# Altium PCB PCB.PcbDoc
Units mm, origin at the board's own origin, x right, y up, seen from the top; angles counter-clockwise.
Board outline 99.73 x 100.33 mm, 2 copper layers (Top Layer, Bottom Layer); 139 components, 112 nets, 586 pads, 0 vias.
Unrouted connection lines stored in the file: 376.
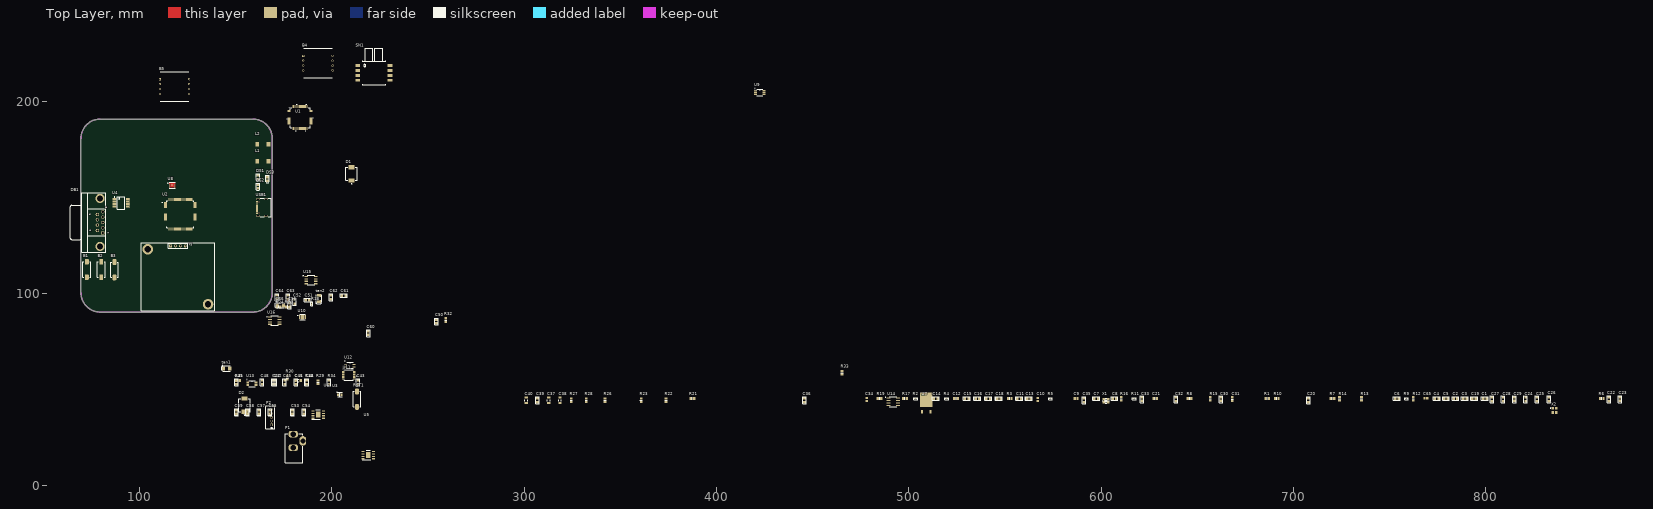
[diagram p0: Top Layer view]
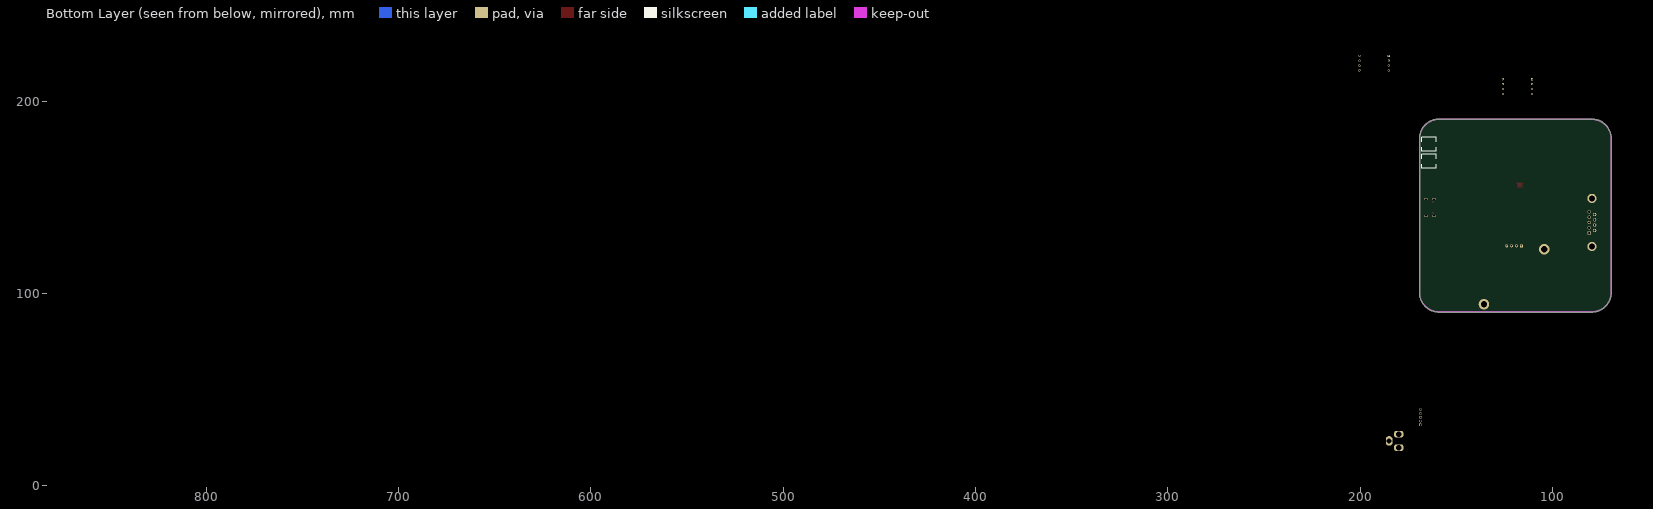
[diagram p1: Bottom Layer view, seen from below]

## Layer stack, top to bottom
Top Solder: solder mask 0.0102, Solder Resist, Dk 3.5
Top Layer: signal copper 0.0356
Dielectric 1: dielectric 0.32, FR-4, Dk 4.8
Bottom Layer: signal copper 0.0356
Bottom Solder: solder mask 0.0102, Solder Resist, Dk 3.5

## Board outline
69.502,100.356 cw(c69.564,100.467) 69.437,100.467 69.469,180.467 69.502,180.553 cw(c79.629,180.5) 79.629,190.627 159.629,190.629 159.706,190.603 cw(c159.004,180.5) 169.131,180.522 169.164,180.436 169.164,100.436 169.164,100.434 cw(c159.037,100.457) 159.735,90.354 159.629,90.297 79.629,90.297 cw(c79.629,100.424)

## Design rules (kind name [scope] priority, off if disabled: settings)
Clearance [All] p1: gap=0.254 ignorepadtopadclearanceinfootprint=FALSE except(0: Arc-Hole Track-Hole SMDPad-Hole THPad-Hole Via-Hole Fill-Hole Poly-Hole Region-Hole Text-Hole)
PolygonConnect [All] p1: connectstyle=Relief reliefconductorwidth=0.254 reliefentries=4 polygonreliefangle="90 Angle" airgapwidth=0.254
RoutingVias [All] p1: holewidth=0.711 width=1.27 viastyle="Through Hole" minholewidth=0.711 minwidth=1.27 maxholewidth=0.711 maxwidth=1.27
SolderMaskExpansion [All] p1: expansion=0.102 istentingtop=FALSE
Width [All] p1: maxlimit=0.254 minlimit=0.254 preferedwidth=0.254
30 further rules are at their usual default settings.

## Components (designator, comment, footprint, x,y, rotation, side; value= is the part's Value field where it differs from the comment)
B1 "Push Button Smd1" PCBComponent_1#1 72.517,112.395 r0 top
B2 "Push Button Smd1" PCBComponent_1#1 80.01,112.395 r0 top
B3 "Push Button Smd1" PCBComponent_1#1 86.868,112.268 r0 top
B4 "1210A-002D-3S" DIP1524W46P254L1524H1281Q8N 192.913,219.202 r0 top
B5 "1210A-015A-3S" DIP1524W46P254L1524H1281Q8N 118.364,207.01 r0 top
C1 "Cap" C0805#1 799.465,45.339 r0 top value=10uF
C2 "Cap" C0805#1 784.225,45.339 r0 top value=100nF
C3 "Cap" C0805#1 789.051,45.339 r0 top value=10uF
C4 "Cap" C0805#1 774.446,45.339 r0 top value=100nF
C5 "Cap" C0805#1 779.272,45.339 r0 top value=10uF
C6 "Cap" C0805#1 753.745,45.339 r0 top value=10uF
C7 "Cap" C0805#1 597.408,45.466 r0 top value=10uF
C8 "Cap" C0805#1 606.933,45.466 r0 top value=100nF
C9 "Cap" C0805#2 586.994,45.339 r0 top value=1uf
C10 "Cap" C0805#2 567.055,44.831 r90 top value=100nF
C11 "Cap" C0805#1 557.403,45.339 r0 top value=1uF
C12 "Cap" 6-0805_N 524.51,45.339 r0 top value=100nF
C13 "Cap" C0805#1 562.483,45.339 r0 top value=100nF
C14 "Cap" C0805#1 513.969,45.339 r0 top value=1uF
C15 "Cap" C0805#1 530.098,45.339 r0 top value=100nF
C16 "Cap" C0805#1 535.686,45.339 r0 top value=100nF
C17 "Cap" C0805#1 541.274,45.339 r0 top value=47uF
C18 "Cap" C0805#1 546.862,45.339 r0 top value=100nF
C19 "Cap" C0805#1 793.877,45.339 r0 top value=100nF
C20 "Cap" C0805#1 707.771,44.45 r90 top value=100nF
C21 "Cap" 6-0805_N 628.142,45.339 r0 top value=100nF
C22 "Cap" C0805#1 863.854,44.958 r90 top value=100nF
C23 "Cap" C0805#1 869.696,45.085 r90 top value=100nF
C24 "100nF" C0805#1 820.674,44.958 r90 top
C25 "Cap" C0805#1 826.516,44.958 r90 top value=100nF
C26 "Cap" C0805#1 832.866,44.958 r90 top value=12.5pF
C27 "Cap" C0805#1 803.148,44.958 r90 top value=12.5pF
C28 "Cap" C0805#1 808.99,44.958 r90 top value=100nF
C29 "Cap" C0805#1 814.832,45.085 r90 top value=10uF
C30 "Cap" C0805#1 662.305,45.085 r90 top value=100nF
C31 "Cap" 6-0805_N 668.147,45.085 r90 top value=100nF
C32 "Cap" C0805#1 638.937,44.958 r90 top value=100nF
C33 "Cap" C0805#1 621.157,45.085 r90 top value=20pF
C34 "Cap" C0805#2 478.028,44.831 r90 top value=20pF
C35 "Cap" C0805#1 591.058,44.45 r90 top value=2.2uF
C36 "Cap" C0805#1 445.643,44.45 r90 top value=2.2uF
C37 "Cap" C1206 312.801,44.45 r90 top value=10uF
C38 "Cap" C1206 318.643,44.45 r90 top value=100nF
C39 "Cap" C0805#1 306.959,44.45 r90 top value=100nF
C40 "Cap" C1206 301.117,44.45 r90 top value=10uF
C41 "Cap" C1206 182.499,54.737 r0 top value=100nF
C42 "Cap" C0805#1 170.434,53.848 r90 top value=100nF
C43 "Cap" C0805#1 213.741,53.848 r90 top value=82pF
C44 "Cap" C0805#1 187.198,53.848 r90 top value=82pF
C45 "Cap" C0805#1 175.514,53.848 r90 top value=2.2uF
C46 "Cap" C0805#1 181.356,53.848 r90 top value=2.2uF
C47 "Cap" C0805#1 169.672,53.848 r90 top value=1nF
C48 "Cap" C0805#1 163.83,53.848 r90 top value=1uF
C49 "Cap" C0805#1 150.368,53.848 r90 top value=1uF
C50 "Cap" C0805#1 254.508,85.471 r90 top value=47uF
C51 "Cap" C0805#1 187.452,96.52 r0 top value=47uF
C52 "Cap" C0805#1 180.721,95.631 r90 top value=10uF
C53 "Cap" C0805#1 179.578,38.354 r90 top value=100nF
C54 "Cap" C0805#1 185.42,38.354 r90 top value=100nF
C55 "Cap" C0805#1 167.894,38.354 r90 top value=2.7nF
C56 "100nF" C0805#1 178.054,93.853 r90 top
C57 "Cap" C0805#1 162.052,38.354 r90 top value=100nF
C58 "Cap" C0805#1 156.21,38.354 r90 top value=100nF
C59 "Cap" C0805#1 150.368,38.354 r90 top value=2.7nF
C60 "Cap" C0805#1 218.948,79.375 r90 top value=2.7nF
C61 "Cap" C0805#1 206.248,98.933 r0 top value=100nF
C62 "Cap" C0805#1 199.517,98.044 r90 top value=100nF
C63 "Cap" C0805#1 177.292,98.044 r90 top value=100nF
C64 "Cap" C0805#1 171.45,98.044 r90 top value=100nF
C65 "Cap" C0805#2 768.731,45.466 r0 top value=100nF
C66 "100UF" C_TN_3528 173.355,93.853 r0 top
D1 "SS34" DIOM7959X265N 210.312,162.179 r90 top
D2 "SS34" DIOM7959X265N 154.559,41.91 r90 top
DB1 "DB9_Right_Female" PCBComponent_1#2 77.851,136.779 r90 top
DS1 "" "LED SMD 0805 - Geeen" 161.544,160.401 r270 top
DS2 "" "LED SMD 0805 - Geeen" 161.544,155.509 r270 top
DS3 "" "LED SMD 0805 - Geeen" 166.624,159.512 r270 top
L1 "SLF7045T-150M1R1-PF" IND_7045_TDK 164.211,168.656 r0 top
L2 "SLF7045T-150M1R1-PF" IND_7045_TDK 164.211,177.546 r0 top
P1 "AdaptorConnector" AdaptorConnector 180.006,23.365 r0 top
P2 "1x5 2mm" "1x5 2mm-No3D" 168.656,31.624 r0 top
P3 "Header 4" HDR1X4 116.205,124.714 r0 top
R1 "Res1" 6-0805_N 686.308,45.339 r0 top value=1K
R2 "10K" 0402RM 503.555,45.339 r0 top
R3 "Res1" 6-0805_N 552.45,45.339 r0 top value=10K
R4 "10K" 0402RM 519.684,45.339 r0 top
R5 "10K" 0402RM 573.659,45.339 r0 top
R6 "Res1" 6-0805_N 860.171,45.339 r0 top value=1K
R7 "Res1" 6-0805_N 720.217,45.339 r0 top value=10K
R8 "Res1" 6-0805_N 645.922,45.339 r0 top value=10K
R9 "10K" 0402RM 758.698,45.339 r0 top
R10 "Res1" 6-0805_N 691.261,45.339 r0 top value=1K
R11 "10K" 0402RM 617.22,45.339 r0 top
R12 "Res1" 6-0805_N 762.254,45.212 r90 top value=10K
R13 "Res1" 6-0805_N 735.33,45.212 r90 top value=86.6K
R14 "Res1" 6-0805_N 723.9,45.212 r90 top value=86.6K
R15 "Res1" 6-0805_N 656.717,45.212 r90 top value="0 NC"
R16 "Res1" 6-0805_N 610.362,45.212 r90 top value=22K
R17 "Res1" 6-0805_N 497.967,45.339 r0 top value=22K
R18 "10K" 0402RM 189.611,94.615 r90 top
R19 "Res1" 6-0805_N 484.759,45.339 r0 top value=10K
R20 "Res1" 6-0805_N 177.165,92.964 r0 top value=10K
R21 "Res1" 6-0805_N 387.477,45.339 r0 top value=1k
R22 "Res1" 6-0805_N 373.761,44.45 r90 top value=10K
R23 "Res1" 6-0805_N 360.807,44.45 r90 top value=760
R24 "Res1" 6-0805_N 172.339,92.964 r0 top value=10K
R26 "Res1" 6-0805_N 342.011,44.45 r90 top value=100k
R27 "Res1" 6-0805_N 324.485,44.45 r90 top value=100k
R28 "Res1" 6-0805_N 332.232,44.45 r90 top value=1k
R29 "Res1" 6-0805_N 192.786,53.848 r90 top value=100k
R30 "Res1" 6-0805_N 176.911,56.261 r90 top value=1k
R31 "Res1" 6-0805_N 151.257,54.737 r0 top value=100k
R32 "Res1" 6-0805_N 259.207,86.117 r90 top value=10K
R33 "Res1" 6-0805_N 465.201,58.801 r90 top value=10K
R34 "666" "R SMD 0805" 198.628,53.848 r90 top
R35 "666" "R SMD 0805" 186.944,53.848 r90 top
RST1 "Push Button Smd1" PCBComponent_1#1 212.979,44.958 r0 top
SN1 "MPX2053DP" SOP8-1351 221.869,214.63 r0 top
tan1 "Component_1" C_TN_3528 145.364,60.96 r0 top
tan2 "Component_1" C_TN_3528 193.294,97.409 r90 top
U1 "AD7768-4BSTZ" ST_64_2_ADI 183.515,191.389 r0 top
U2 "STM32F427VIT6" QFP50P1600X1600X160-100N 121.285,141.224 r0 top
U3 "NUF2221" "SC70 6L" 204.216,47.498 r0 top
U4 "MAX3221ECAE" PCBComponent_1#3 89.789,147.574 r0 top
U5 "LMR23630ADDAR" "PCBComponent_1 - duplicate1" 223.341,28.321 r0 top value=N/A
U6 "LMR23630ADDAR" "PCBComponent_1 - duplicate1" 197.231,49.403 r0 top value=N/A
U7 "LF33ABDT-TR" TO228P972X240-3N 509.016,44.577 r0 top
U8 "SHT21" XDCR_SHT21 117.014,156.321 r0 top
U9 "AD8220ARMZ" SOP65P490X110-8N 422.529,204.47 r0 top
U10 "ADM7170ACPZ-5.0-R7" SON50P300X300X80-9N 184.785,87.757 r0 top
U11 "OPA4387PWT" ADA4807-4ARUZ_ADI 208.788,57.531 r0 top
U12 "AD8220ARMZ" SOP65P490X110-8N 209.423,62.738 r0 top
U13 "AD8220ARMZ" SOP65P490X110-8N 158.496,53.086 r0 top
U14 "REF102CUG4" SOIC127P599X175-8N 491.871,43.688 r0 top
U15 "REF102CUG4" SOIC127P599X175-8N 189.16,106.934 r0 top
U16 "LM2904DR" SOIC127P599X175-8N 170.307,85.852 r0 top
USB1 "USB4105-GF-A" USB4105_GCT 164.592,144.653 r90 top
X1 "32.768MHz" Crystal3225 602.488,44.196 r0 top
X2 "" OSC_X322516MLB4SI 835.66,39.243 r0 top

## Footprints (in the part's own frame and the unit in brackets; to place one, negate y for a bottom-side part, rotate by r counter-clockwise, add the part's x,y. Pads: shape width x height; smd on the part's side, far side on the other; paste and mask are expansions set on the pad)
"1x5 2mm-No3D" [mm]
  rect 1.3x1.3 hole 0.9: 1(0,0)
  round 1.3 hole 0.9: 2(0,2) 3(0,4) 4(0,6) 5(0,8)
  silkscreen extent -3,-2 1.6,10
6-0805_N [mm]
  rect 1.2x1.4 smd: 1(-0.9,0) 2(0.9,0)
  silkscreen extent 0,-0.6 0,0.6, body extent -1.07,-0.7 1.07,0.7, height 0.7
0402RM [mm]
  rect 0.7x0.7 smd mask+0.05: 1(-0.5,0) 2(0.5,0)
  silkscreen extent -1,-0.5 1,0.5, body extent -0.57,-0.27 0.58,0.28, height 0.41
ADA4807-4ARUZ_ADI [mil]
  rect 51.48x14 smd paste+0 mask+0: 1(-114.24,76.77) 2(-114.24,51.18) 3(-114.24,25.59) 4(-114.24,0) 5(-114.24,-25.59) 6(-114.24,-51.18) 7(-114.24,-76.77) 8(114.24,-76.77) 9(114.24,-51.18) 10(114.24,-25.59) 11(114.24,0) 12(114.24,25.59) 13(114.24,51.18) 14(114.24,76.77)
  silkscreen extent -94,-106 160,106, body extent -126,-101 126,101, height 43
AdaptorConnector [mm]
  rrect80% 5x3.5 hole 2.7: 1(-0.047,3.447) 2(-0.047,-3.553)
  oval 3.5x5 hole 2.7: 3(4.953,-0.053)
  silkscreen extent -4.3,-11.3 4.95,3.7, body extent -4.42,-10.86 5.08,3.54, height 11
C0805#1 [mm]
  rect 1.3x1.5 smd: 1(-0.95,0) 2(0.95,0)
  silkscreen extent -1.85,-0.91 1.75,0.91, body extent -1,-0.63 1,0.62, height 0.78
C0805#2 [mm]
  rect 1.1x1.4 smd: 1(-0.75,0) 2(0.75,0)
  body extent -1.1,-0.72 1.1,0.72, height 1.4
C1206 [mm] "Chip Capacitor, Body 3.2x1.6mm, IPC High Density"
  rect 1.1x1.7 smd: 1(-1.35,0) 2(1.35,0)
  silkscreen extent -0.4,-0.75 0.4,0.75, body extent -1.7,-0.9 1.7,0.9, height 1.3
C_TN_3528 [mm]
  rrect50% 1.6x2.2 smd mask+0.1: 1(-1.6,0)
  rect 1.6x2.2 smd mask+0.1: 2(1.6,0)
  Top Layer pour cut-out: -0.889,1.4 -0.889,-1.4 0.889,-1.4 0.889,1.4
  silkscreen extent -2.7,-1.4 1.8,1.7, body extent -1.85,-1.46 1.85,1.47, height 2.03
Crystal3225 [mil]
  rect 56x48 smd: 1(-43.31,-33.46) 2(44,30.03) NC_1(44,-33.46) NC_2(-43.31,30.03)
  silkscreen extent -63,-53 63,50, body extent -63,-51 63,47, height 32
DIOM7959X265N [mm]
  rect 2.25x3.18 smd: A(3.455,0) C(-3.455,0)
  silkscreen extent -5.3,-2.95 3.44,2.95, body extent -3.98,-2.95 3.98,2.95, height 2.65
DIP1524W46P254L1524H1281Q8N [mm]
  rect 1.06x1.06 / inner round 1.06 / far side rect 1.06x1.06 hole 0.66: 1(-7.766,4.335)
  round 1.06 hole 0.66: 2(-7.766,1.795) 3(-7.766,-0.745) 4(-7.766,-3.285) 5(7.474,-3.285) 6(7.474,-0.745) 7(7.474,1.795) 8(7.474,4.335)
  silkscreen extent -7.51,-7.09 7.22,8.15, body extent -7.89,-7.09 7.6,8.15, height 18.46
HDR1X4 [mm] "Connector; Header; 4 Position"
  rect 1.5x1.5 hole 0.9: 1(0,0)
  round 1.5 hole 0.9: 2(2.54,0) 3(5.08,0) 4(7.62,0)
  silkscreen extent -1.27,-1.27 8.89,1.27
IND_7045_TDK [mm]
  rect 2x2.2 smd paste+0 mask+0: 1(-2.95,0) 2(2.95,0)
  body extent -3.68,-3.37 3.52,3.63, height 0.1
"LED SMD 0805 - Geeen" [mm]
  rect 1.3x1.5 smd: 1(-0.95,0) 2(0.95,0)
  silkscreen extent -1.8,-0.95 1.9,0.95, body extent -1.01,-0.62 1.01,0.63, height 1.1
OSC_X322516MLB4SI [mm]
  rect 1.2x1.4 smd: 1(-0.85,1.1) 2(-0.85,-1.1) 3(0.85,-1.1) 4(0.85,1.1)
  silkscreen extent -2.15,1 -1.95,1.2
PCBComponent_1#1 [mm]
  rrect50% 2x3 smd: 1(0.126,-3.936) 2(0.126,4.064)
  silkscreen extent -1.87,-3.94 2.13,4.06, body extent -1.65,-4.26 1.9,4.38, height 5.3
PCBComponent_1#2 [mm]
  rect 1.69x1.69 hole 1.09: 1(-5.425,-3.094)
  round 1.69 hole 1.09: 2(-2.655,-3.094) 3(0.115,-3.094) 4(2.885,-3.094) 5(5.655,-3.094) 6(-4.04,-0.254) 7(-1.27,-0.254) 8(1.5,-0.254) 9(4.27,-0.254)
  round 4.76 hole 3.26: 10(-12.38,-1.674) 11(12.61,-1.674)
  silkscreen extent -15.28,-4.57 15.52,13.83, body extent -15.29,-4.63 15.52,13.67, height 12.77
PCBComponent_1#3 [mm]
  oval 2.1x0.45 smd: 1(-2.769,1.824) 2(-2.769,1.174) 3(-2.769,0.524) 4(-2.769,-0.126) 5(-2.769,-0.776) 6(-2.769,-1.426) 7(-2.769,-2.076) 8(-2.769,-2.726) 9(4.131,-2.726) 10(4.131,-2.076) 11(4.131,-1.426) 12(4.131,-0.776) 13(4.131,-0.126) 14(4.131,0.524) 15(4.131,1.174) 16(4.131,1.824)
  silkscreen extent -2.92,-3.7 2.68,2.8, body extent -3.19,-3.67 4.71,2.65, height 1.99
"PCBComponent_1 - duplicate1" [mm]
  rect 1.45x0.6 smd: 1(-7.071,-14.283) 2(-7.071,-13.013) 3(-7.071,-11.743) 4(-7.071,-10.473) 5(-1.621,-10.473) 6(-1.621,-11.743) 7(-1.621,-13.013) 8(-1.621,-14.283)
  rect 2.4x3.1 smd: 9(-4.318,-12.319)
  silkscreen extent -7.57,-14.88 -3.2,-9.88, body extent -7.38,-14.81 -1.4,-9.91, height 1.65
QFP50P1600X1600X160-100N [mm]
  rrect25% 1.56x0.28 smd: 1(-7.68,6) 2(-7.68,5.5) 3(-7.68,5) 4(-7.68,4.5) 5(-7.68,4) 6(-7.68,3.5) 7(-7.68,3) 8(-7.68,2.5) 9(-7.68,2) 10(-7.68,1.5) 11(-7.68,1) 12(-7.68,0.5) 13(-7.68,0) 14(-7.68,-0.5) 15(-7.68,-1) 16(-7.68,-1.5) 17(-7.68,-2) 18(-7.68,-2.5) 19(-7.68,-3) 20(-7.68,-3.5) 21(-7.68,-4) 22(-7.68,-4.5) 23(-7.68,-5) 24(-7.68,-5.5) 25(-7.68,-6) 51(7.68,-6) 52(7.68,-5.5) 53(7.68,-5) 54(7.68,-4.5) 55(7.68,-4) 56(7.68,-3.5) 57(7.68,-3) 58(7.68,-2.5) 59(7.68,-2) 60(7.68,-1.5) 61(7.68,-1) 62(7.68,-0.5) 63(7.68,0) 64(7.68,0.5) 65(7.68,1) 66(7.68,1.5) 67(7.68,2) 68(7.68,2.5) 69(7.68,3) 70(7.68,3.5) 71(7.68,4) 72(7.68,4.5) 73(7.68,5) 74(7.68,5.5) 75(7.68,6)
  rrect25% 0.28x1.56 smd: 26(-6,-7.68) 27(-5.5,-7.68) 28(-5,-7.68) 29(-4.5,-7.68) 30(-4,-7.68) 31(-3.5,-7.68) 32(-3,-7.68) 33(-2.5,-7.68) 34(-2,-7.68) 35(-1.5,-7.68) 36(-1,-7.68) 37(-0.5,-7.68) 38(0,-7.68) 39(0.5,-7.68) 40(1,-7.68) 41(1.5,-7.68) 42(2,-7.68) 43(2.5,-7.68) 44(3,-7.68) 45(3.5,-7.68) 46(4,-7.68) 47(4.5,-7.68) 48(5,-7.68) 49(5.5,-7.68) 50(6,-7.68) 76(6,7.68) 77(5.5,7.68) 78(5,7.68) 79(4.5,7.68) 80(4,7.68) 81(3.5,7.68) 82(3,7.68) 83(2.5,7.68) 84(2,7.68) 85(1.5,7.68) 86(1,7.68) 87(0.5,7.68) 88(0,7.68) 89(-0.5,7.68) 90(-1,7.68) 91(-1.5,7.68) 92(-2,7.68) 93(-2.5,7.68) 94(-3,7.68) 95(-3.5,7.68) 96(-4,7.68) 97(-4.5,7.68) 98(-5,7.68) 99(-5.5,7.68) 100(-6,7.68)
  silkscreen extent -9.54,-7 7,7
"R SMD 0805" [mm]
  rect 1.3x1.5 smd: 1(-0.95,0) 2(0.95,0)
  silkscreen extent -1.8,-0.95 1.8,0.95, body extent -0.99,-0.62 1.01,0.62, height 0.37
"SC70 6L" [mm]
  rect 1x0.35 smd: 1(-0.9,0.65) 2(-0.9,0) 3(-0.9,-0.65) 4(0.9,-0.65) 5(0.9,0) 6(0.9,0.65)
  silkscreen extent -1.52,-1.1 1.2,1.2, body extent -1.05,-1 1.05,1, height 0.92
SOIC127P599X175-8N [mm]
  rrect25% 1.97x0.6 smd: 1(-2.47,1.905) 2(-2.47,0.635) 3(-2.47,-0.635) 4(-2.47,-1.905) 5(2.47,-1.905) 6(2.47,-0.635) 7(2.47,0.635) 8(2.47,1.905)
  silkscreen extent -4.14,-2.52 1.95,2.52, body extent -3,-2.45 3,2.45, height 1.75
SON50P300X300X80-9N [mm]
  rrect25% 0.86x0.27 smd: 1(-1.435,0.75) 2(-1.435,0.25) 3(-1.435,-0.25) 4(-1.435,-0.75) 5(1.435,-0.75) 6(1.435,-0.25) 7(1.435,0.25) 8(1.435,0.75)
  rect 1.6x2.44 smd paste-2: 9(0,0)
  silkscreen extent -2.59,-1.54 1.5,1.54
SOP8-1351 [mil]
  rect 100x60 smd: 1(-330,150) 2(-330,50) 3(-330,-50) 4(-330,-150) 5(330,-150) 6(330,-50) 7(330,50) 8(330,150)
  silkscreen extent -242,-242 242,505, body extent -350,-240 340,485, height 405
SOP65P490X110-8N [mil]
  rect 59x17 smd: 1(-86,38) 2(-86,13) 3(-86,-13) 4(-86,-38) 5(86,-38) 6(86,-13) 7(86,13) 8(86,38)
  silkscreen extent -63,-63 63,63
ST_64_2_ADI [mil]
  rect 58x11 smd paste+0 mask+0: 1(-225,147.64) 2(-225,127.95) 3(-225,108.27) 4(-225,88.58) 5(-225,68.9) 6(-225,49.21) 7(-225,29.53) 8(-225,9.84) 9(-225,-9.84) 10(-225,-29.53) 11(-225,-49.21) 12(-225,-68.9) 13(-225,-88.58) 14(-225,-108.27) 15(-225,-127.95) 16(-225,-147.64) 33(225,-147.64) 34(225,-127.95) 35(225,-108.27) 36(225,-88.58) 37(225,-68.9) 38(225,-49.21) 39(225,-29.53) 40(225,-9.84) 41(225,9.84) 42(225,29.53) 43(225,49.21) 44(225,68.9) 45(225,88.58) 46(225,108.27) 47(225,127.95) 48(225,147.64)
  rect 11x58 smd paste+0 mask+0: 17(-147.64,-225) 18(-127.95,-225) 19(-108.27,-225) 20(-88.58,-225) 21(-68.9,-225) 22(-49.21,-225) 23(-29.53,-225) 24(-9.84,-225) 25(9.84,-225) 26(29.53,-225) 27(49.21,-225) 28(68.9,-225) 29(88.58,-225) 30(108.27,-225) 31(127.95,-225) 32(147.64,-225) 49(147.64,225) 50(127.95,225) 51(108.27,225) 52(88.58,225) 53(68.9,225) 54(49.21,225) 55(29.53,225) 56(9.84,225) 57(-9.84,225) 58(-29.53,225) 59(-49.21,225) 60(-68.9,225) 61(-88.58,225) 62(-108.27,225) 63(-127.95,225) 64(-147.64,225)
  silkscreen extent -274,-274 274,274, body extent -240,-240 240,240, height 63
TO228P972X240-3N [mil]
  rect 37x67 smd: 1(-89,-240) 3(89,-240)
  rect 260x288 smd: 2(0,6)
USB4105_GCT [mil]
  round 26 hole 26 unplated: 17(-113.78,94.91) 18(113.78,94.91)
  rect 23x39.37 smd: A1-B12(-125.98,137.24) B1-A12(125.98,137.24)
  rect 23x45 smd: A4-B9(-94.49,137.24) B4-A9(94.49,137.24)
  rect 12x45 smd paste+0 mask+0: A5(-49.21,137.24) A6(-9.84,137.24) A7(9.84,137.24) A8(49.21,137.24) B5(68.9,137.24) B6(29.53,137.24) B7(-29.53,137.24) B8(-68.9,137.24)
  oval 40x83 hole 25 slot 55 at 90 deg: shld(-170.08,-49.97) shld(-170.08,114.6) shld(170,-50) shld(170.08,114.6)
  silkscreen extent -194,-157 194,70, body extent -176,-150 176,153, height 128
XDCR_SHT21 [mm]
  rect 0.3x0.2 smd paste-1 mask+0: 1(-1.35,1) 2(-1.35,0) 3(-1.35,-1) 4(1.35,1) 5(1.35,0) 6(1.35,-1)
  rect 0.5x1 smd paste-1 mask+0: 7(0,0)
  Top Layer region: 0.75,-1.2 -0.75,-1.2 -0.75,0.93 -0.48,1.2 0.75,1.2
  Top Layer region: 1.65,-1.2 1.15,-1.2 1.05,-1.1 1.05,-0.9 1.15,-0.8 1.65,-0.8
  Top Layer region: 1.65,-0.2 1.15,-0.2 1.05,-0.1 1.05,0.1 1.15,0.2 1.65,0.2
  Top Layer region: 1.65,0.8 1.15,0.8 1.05,0.9 1.05,1.1 1.15,1.2 1.65,1.2
  Top Layer region: -1.05,-0.9 -1.05,-1.1 -1.15,-1.2 -1.65,-1.2 -1.65,-0.8 -1.15,-0.8
  Top Layer region: -1.05,0.1 -1.05,-0.1 -1.15,-0.2 -1.65,-0.2 -1.65,0.2 -1.15,0.2
  Top Layer region: -1.05,1.1 -1.05,0.9 -1.15,0.8 -1.65,0.8 -1.65,1.2 -1.15,1.2
  silkscreen extent -2.35,-1.52 1.5,1.52, body extent -1.5,-1.52 1.5,1.48, height 1.05

## Part data
B4: library part 1210A-015A-3S, "Board Mount Pressure Sensors 0-15psia 0-100mV Short Port", Manufacturer_Name="TE Connectivity", Mouser Part Number=824-1210A-015A-3S, Datasheet Link=https://componentsearchengine.com/Datasheets/1/1210A-015A-3S.pdf, Geometry.Height=12.81mm, Manufacturer_Part_Number=1210A-015A-3S, Mouser Price/Stock=https://www.mouser.com/Search/Refine.aspx?Keyword=824-1210A-015A-3S
B5: "Board Mount Pressure Sensors 0-15psia 0-100mV Short Port", Manufacturer_Name="TE Connectivity", Mouser Part Number=824-1210A-015A-3S, Datasheet Link=https://componentsearchengine.com/Datasheets/1/1210A-015A-3S.pdf, Geometry.Height=12.81mm, Manufacturer_Part_Number=1210A-015A-3S, Mouser Price/Stock=https://www.mouser.com/Search/Refine.aspx?Keyword=824-1210A-015A-3S
C1 C2 C3 C4 C5 C6 C7 C8 C9 C10 C11 C13 C14 C15 C16 C17 C18 C19 C20 C22 C23 C25 C26 C27 C28 C29 C30 C32 C33 C34 C35 C36 C37 C38 C39 C40 C41 C42 C43 C44 C45 C46 C47 C48 C49 C50 C51 C52 C53 C54 C55 C57 C58 C59 C60 C61 C62 C63 C64 C65: library part Cap_2, "Capacitor", LatestRevisionDate=17-Jul-2002, LatestRevisionNote="Re-released for DXP Platform.", PackageDescription="Radial Cap, Thru-Hole; 2 Leads; 0.3 in Pin Spacing", PackageReference=RAD-0.3, Published=8-Jun-2000, Publisher="Altium Limited"
C12 C21 C31: "Capacitor", LatestRevisionDate=17-Jul-2002, LatestRevisionNote="Re-released for DXP Platform.", PackageDescription="Radial Cap, Thru-Hole; 2 Leads; 0.3 in Pin Spacing", PackageReference=RAD-0.3, Published=8-Jun-2000, Publisher="Altium Limited"
C24: library part "C SMD", "Ceramic Chip Capacitor - Standard", PackageDocument=Mar-2001, Code_IPC="1608 [0603]", Code_JEITA=0603, ComponentLink1Description="Manufacturer Link", ComponentLink1URL=http://www.kemet.com/, ComponentLink2Description=Datasheet, ComponentLink2URL=http://www.kemet.com/kemet/web/homepage/kechome.nsf/vapubfilesname/F3102TA.pdf/$file/F3102TA.pdf, DatasheetDocument=Mar-2001, LatestRevisionDate=19-Mar-2004, LatestRevisionNote="Silkscreen size reduced.", Note="Footprint corresponds to dimensions for bulk cassette packaging. This case size has tightened tolerances.", PackageReference=0603, Published=17-Jul-2002, Publisher="Altium Limited"
C56: library part C0603, ComponentLink1Description="Manufacturer Link", ComponentLink1URL=http://www.kemet.com/, ComponentLink2Description=Datasheet, ComponentLink2URL=http://www.kemet.com/kemet/web/homepage/kechome.nsf/vapubfilesname/F3102TA.pdf/$file/F3102TA.pdf, PackageReference="0603 [1608]"
C66: library part CAP_SMD_TAN, "CAP, SMD, TAN,", PARAM=25V
D1 D2: "Diode Schottky 40 V 3A Surface Mount SMC (DO-214AB)", Package="SMC-2 ON Semiconductor", Check_prices=https://www.snapeda.com/parts/SS34/Onsemi/view-part/?ref=eda, MF=onsemi, MP=SS34, SnapEDA_Link=https://www.snapeda.com/parts/SS34/Onsemi/view-part/?ref=snap
DB1: library part "D Connector 9", "Receptacle Assembly, 9 Position, Right Angle", PackageDocument=O, DatasheetDocument=1-Sep-1999, Gender=Receptacle, LatestRevisionDate=17-Jul-2002, LatestRevisionNote="Re-released for DXP Platform.", Orientation="Right Angle", PackageReference=788750, Positions=9, Published=15-Jun-2001, Publisher="Altium Limited"
DS1 DS2 DS3: library part "LED SMD"
L1 L2: library part SLF7045T-680MR60-PF, "No Description Available", Mfr_Name=TDK, Copyright="Copyright (C) 2022 Ultra Librarian. All rights reserved.", Manufacturer_Part_Number=SLF7045T-150M1R1-PF
P3: "Header, 4-Pin", LatestRevisionDate=17-Jul-2002, LatestRevisionNote="Re-released for DXP Platform.", Publisher="Altium Limited"
R1 R3 R6 R7 R10 R12 R13 R14 R15 R16 R17 R20 R24: "Resistor", LatestRevisionDate=17-Jul-2002, LatestRevisionNote="Re-released for DXP Platform.", PackageDescription="Axial Device, Thru-Hole; 2 Leads; 0.3 in Pin Spacing", PackageReference=AXIAL-0.3, Published=8-Jun-2000, Publisher="Altium Limited"
R2 R4 R5 R9 R11 R18 R34 R35: library part "R SMD", "Metal Film Thermosensitive Chip Resistor, 0.56 Ohm to 10k Ohm Range, 5% Tolerance, 0805 Size, 0.1 W", PackageDocument=Mar-2003, Code_IPC="2012 [0805]", ComponentLink1Description="Manufacturer Link", ComponentLink1URL=http://www.panasonic.com/industrial/components/resistive_products.htm, ComponentLink2Description=Datasheet, ComponentLink2URL=http://www.panasonic.com/industrial/components/pdf/AOF0000CE1.pdf, LatestRevisionDate=19-Mar-2004, LatestRevisionNote="Silkscreen size reduced.", Note="If flow soldering, adjust pad width of PCB Footprint to 0.7 - 0.8 times the width of the resistor.", PackageReference=ERA-0805, Published=17-Dec-2003, Publisher="Altium Limited"
R8 R19 R21 R22 R23 R26 R27 R28 R29 R30 R31 R32 R33: library part Res1_3, "Resistor", LatestRevisionDate=17-Jul-2002, LatestRevisionNote="Re-released for DXP Platform.", PackageDescription="Axial Device, Thru-Hole; 2 Leads; 0.3 in Pin Spacing", PackageReference=AXIAL-0.3, Published=8-Jun-2000, Publisher="Altium Limited"
SN1: library part MPXV4006DP, "Pressure Sensor 0.87PSI _6kPa_ Differential Male - 0.13 _3.3mm_ Tube, Dual 0.2 V ~ 4.7 V 8-BSOP _0.475, 12.06mm Width_ Dual Ports, Same Side", Package="- NXP USA", Availability=Unavailable, MF="NXP USA", MP=MPXV4006DP, Price=None, SnapEDA_Link=https://www.snapeda.com/parts/MPXV4006DP/NXP%20USA%20Inc./view-part/797022/?ref=snap
U1: "No Description Available", Mfr_Name="Analog Devices Inc", Copyright="Copyright (C) 2023 Ultra Librarian. All rights reserved.", Manufacturer_Part_Number=AD7768-4BSTZ, RefDes=RefDes, Type=DEV
U2: "ARMÂ® CortexÂ®-M4 STM32F4 Microcontroller IC 32-Bit 180MHz 2MB (2M x 8) FLASH 100-LQFP (14x14)", Package="LQFP-100 STMicroelectronics", Availability=Unavailable, MF=STMicroelectronics, MP=STM32F427VIT6, Price=None, SnapEDA_Link=https://www.snapeda.com/parts/STM32F427VIT6/STMicroelectronics/view-part/225734/?ref=snap
U3: library part SMF05C, "TVS Diode Array  For ESD and Latch-Up Protection", Code_IPC=SOIC127P600-8, Code_JEDEC=MS-012-AA, ComponentLink1Description="Manufacturer Link", ComponentLink1URL=http://www.analog.com/en/prod/0%2C2877%2CREF01%2C00.html, ComponentLink2Description=Datasheet, ComponentLink2URL=http://www.analog.com/UploadedFiles/Data_Sheets/400769540REF01_g.pdf, DatasheetVersion="REV. B 1992", LatestRevisionDate=13-Apr-2006, LatestRevisionNote="IPC-7351 Footprint Added.", Note="Pins 1, 3, 7 and 8 are not connected; Pin 4 is connected to case", PackageDescription="8-Pin Small Outline Integrated Circuit 1.27 mm Pitch", PackageReference=SO-8, PackageVersion=revA, Published=8-Jun-2000, Publisher="Altium Limited"
U4: "±15kV ESD-Protected, 1µA, 3.0V/5.5V, 250kbps, RS-232 Transceiver with AutoShutdown", Code_IPC=SOP65P780-16, Code_JEDEC=MO-150-AC, ComponentLink1Description="Manufacturer Link", ComponentLink1URL=http://www.maxim-ic.com/, ComponentLink2Description=Datasheet, ComponentLink2URL=http://pdfserv.maxim-ic.com/en/ds/MAX3221E-MAX3243E.pdf, DatasheetVersion=Jan-1998, LatestRevisionDate=29-May-2009, LatestRevisionNote="IPC-7351 Footprint Added.", PackageDescription="16-Pin Small Outline Package 0.65 mm Pitch", PackageReference=SSOP16, PackageVersion=1996, Published=16-Jan-2001, Publisher="Altium Limited"
U5 U6: Manufacturer Name="Texas Instruments", Manufacturer Part Number=LMR23630ADDAR, PackageReference=LMR23610ADDAR
U7: "Linear Voltage Regulator IC 1 Output 500mA DPAK", Package="TO-252 STMicroelectronics", Availability=Unavailable, MF=STMicroelectronics, MP=LF33ABDT-TR, Price=None, SnapEDA_Link=https://www.snapeda.com/parts/LF33ABDT-TR/STMicroelectronics/view-part/281804/?ref=snap
U8: "SENSOR HUMID/TEMP 3V I2C 2% SMD", Package="DFN-6 Sensirion", Check_prices=https://www.snapeda.com/parts/SHT21/Sensirion+AG/view-part/?ref=eda, MF="Sensirion AG", MP=SHT21, SnapEDA_Link=https://www.snapeda.com/parts/SHT21/Sensirion+AG/view-part/?ref=snap
U9 U12 U13: "Ð£ÑÐ¸Ð»Ð¸Ñ‚ÐµÐ»ÑŒ Ð¸Ð½ÑÑ‚Ñ€ÑƒÐ¼ÐµÐ½Ñ‚Ð¾Ð²ÐºÐ¸ 1 Ð", Package="MSOP-8 Analog Devices", Availability=Unavailable, MF="Analog Devices", MP=AD8220ARMZ, Price=None, SnapEDA_Link=https://www.snapeda.com/parts/AD8220ARMZ/Analog%20Devices%20Inc./view-part/210707/?ref=snap
U10: "Linear Voltage Regulator IC Positive Adjustable 1 Output 500mA 8-LFCSP-WD (3x3)", Package=None, Availability=Unavailable, MF="{'manufacturer': u'Analog Devices Inc.'}", MP=ADM7170ACPZ-5.0-R7, Price=None
U11: library part ADA4807-4ARUZ, "No Description Available", Mfr_Name="Analog Devices Inc", Copyright="Copyright (C) 2023 Ultra Librarian. All rights reserved.", Manufacturer_Part_Number=ADA4807-4ARUZ, RefDes=RefDes, Type=DEV
U14 U15: "2.5-ppm/C drift, 10-V precision voltage reference 8-SOIC -25 to 85", Package="SOIC-8 Texas Instruments", Availability="In Stock", Check_prices=https://www.snapeda.com/parts/REF102CUG4/Texas+Instruments/view-part/?ref=eda, MF="Texas Instruments", MP=REF102CUG4, Price=None, Purchase-URL=https://pricing.snapeda.com/search/part/REF102CUG4/?ref=eda, SnapEDA_Link=https://www.snapeda.com/parts/REF102CUG4/Texas+Instruments/view-part/?ref=snap
U16: "General Purpose Amplifier 2 Circuit 8-SOIC", Package="SOIC-8 Texas Instruments", Availability=Unavailable, MF="Texas Instruments", MP=LM2904DR, Price=None, SnapEDA_Link=https://www.snapeda.com/parts/LM2904DR/Texas%20Instruments/view-part/105730/?ref=snap
USB1: "No Description Available", Mfr_Name="Global Connector Technology", Copyright="Copyright (C) 2023 Ultra Librarian. All rights reserved.", Manufacturer_Part_Number=USB4105-GF-A, RefDes=RefDes, Type=DEV
X1: library part Crystal
X2: library part X322516MLB4SI, "External dimensions: 3.2 x 2.5 x 0.8 mm.Frequency range: 11.0592MHz ~54MHz", Package=Package, Availability=Unavailable, Check_prices=https://www.snapeda.com/parts/X322516MLB4SI/YXC/view-part/4703090/?ref=eda, MF=YXC, MP=X322516MLB4SI, Price=None, SnapEDA_Link=https://www.snapeda.com/parts/X322516MLB4SI/YXC/view-part/4703090/?ref=snap

## Free pads (board coordinates)
  round 5.5 hole 3.2: 1(104.297,122.936) 2(135.666,94.361)

## Nets (pads, with @x,y where several pads share a name; then routed paths per layer and width w, separated by ;. In a path a pad name is that pad's centre, name@x,y a point inside that pad or via, vN(x,y) a via of type N, cw(c..) or ccw(c..) an arc to the next point about the centre after c; other vN are vias at no path point)
3V3: C3.1 C4.2 C7.1 C8.1 C10.1 C11.1 C13.1 C14.1 C15.1 C17.1 C20.1 C22.2 C23.1 C25.1 C28.1 C30.1 C32.2 C49.1 C54.1 P2.1 P3.1 R2.2 R3.2 R4.1 R5.1 R7.2 R9.2 R12.2 R19.2 R22.2 U1.6 U1.35 U1.43 U1.53 U1.57 U1.60 U2.6 U2.11 U2.19 U2.21 U2.22 U2.28 U2.50 U2.75 U2.100 U4.12 U4.15 U4.16 U7.3 U8.5
5V: C1.2 C2.1 C56.2 C58.2 C62.1 C66.1 U1.4 U1.45 U10.1 U10.2 U10.3 U11.4
5V-SWITCHING: C44.1 C51.1 D2.A L2.2 R14.2 tan2.1
5V-USB: D1.A R20.2 USB1.A4-B9 USB1.B4-A9
5VO: D1.C D2.C R15.2 U10.5 U10.7 U10.8
12V: C40.1 C41.1 C43.1 C50.1 C52.1 C53.1 C57.1 C61.1 C63.1 C64.1 C65.1 L1.2 R13.2 SN1.3 tan1.1 U6.5 U6.7 U9.8 U12.8 U13.8 U16.8
24: U14.2
24V: C37.1 C38.1 P1.1 U5.5 U5.7 U15.2
232RX: DB1.3 U4.8
232TX: DB1.2 U4.13
422R+: DB1.4
422R-: DB1.9
422T+: DB1.7
422T-: DB1.8
AD7768_CS: U1.16 U2.15
ADC-RESET: U2.16
ADC_RESET: R4.2 U1.30
Button1: B1.2 C12.1 R3.1 U2.25
Button2: B2.2 C21.1 R7.1 U2.26
Button3: B3.2 C31.1 R12.1 U2.29
D_N: U3.4 USB1.A7 USB1.B7
D_P: U3.6 USB1.A6 USB1.B6
GND: B1.1 B2.1 B3.1 B4.2 B5.2 C1.1 C2.2 C3.2 C4.1 C5.1 C6.1 C7.2 C8.2 C9.1 C10.2 C11.2 C12.2 C13.2 C14.2 C15.2 C17.2 C18.1 C20.2 C21.2 C22.1 C23.2 C24.1 C25.2 C26.1 C27.1 C28.2 C29.1 C30.2 C31.2 C32.1 C33.2 C34.2 C35.2 C36.2 C37.2 C38.2 C40.2 C41.2 C45.2 C46.2 C47.2 C48.2 C49.2 C50.2 C51.2 C52.2 C53.2 C54.2 C55.2 C56.1 C57.2 C58.1 C59.2 C60.2 C61.2 C62.2 C63.2 C64.2 C65.2 C66.2 DB1.5 DS1.2 DS2.2 DS3.2 P1.2 P1.3 P2.4 P3.2 R8.1 R11.1 R16.1 R17.1 R18.1 R24.1 RST1.1 SN1.1 tan1.2 tan2.2 U1.1 U1.3 U1.5 U1.7 U1.8 U1.9 U1.10 U1.33 U1.39 U1.40 U1.41 U1.42 U1.44 U1.46 U1.47 U1.48 U1.50 U1.51 U1.54 U1.55 U1.56 U1.62 U1.63 U2.10 U2.20 U2.27 U2.74 U2.99 U3.2 U4.1 U4.14 U5.6 U5.8 U5.9 U6.6 U6.8 U6.9 U7.2 U8.2 U9.5 U9.6 U10.6 U10.9 U11.11 U12.5 U12.6 U13.5 U13.6 U16.4 USB1.A1-B12 USB1.B1-A12 USB1.shld X2.2 X2.4
I2C1_SCL: R19.1 U2.92 U8.6
I2C1_SDA: R22.1 U2.93 U8.1
I2C2_SCL: P3.3 U2.47
I2C2_SDA: P3.4 U2.48
IN1: B4.4 R35.1 U16.3
IN2: R34.1 U16.5
LED1: R1.2 U2.64
LED2: R6.2 U2.65
LED3: R10.2 U2.66
NetB4_1: B4.1 U11.5
NetB4_3: B4.3 U11.3
NetB4_5: B4.5 R29.1 U11.6
NetB4_6: B4.6 R27.2 U11.2
NetB5_1: B5.1 U11.12
NetB5_3: B5.3 U11.10
NetB5_5: B5.5 R31.1 U11.13
NetB5_6: B5.6 R26.2 U11.9
NetC5_2: C5.2 U1.61
NetC6_2: C6.2 U1.52
NetC16_1: C16.1 U4.2
NetC16_2: C16.2 U4.4
NetC18_2: C18.2 U4.3
NetC19_1: C19.1 U4.5
NetC19_2: C19.2 U4.6
NetC24_2: C24.2 U4.7
NetC26_2: C26.2 U1.32 X1.1
NetC27_2: C27.2 U1.31 X1.2
NetC29_2: C29.2 U1.34
NetC33_1: C33.1 U2.13 X2.1
NetC34_1: C34.1 U2.12 X2.3
NetC35_1: C35.1 U2.73
NetC36_1: C36.1 U2.49
NetC39_1: C39.1 U5.2
NetC39_2: C39.2 L1.1 U5.1
NetC42_1: C42.1 U6.2
NetC42_2: C42.2 L2.1 U6.1
NetC45_1: C45.1 U5.3
NetC46_1: C46.1 U6.3
NetC47_1: C47.1 C48.1 R15.1 U7.1
NetDS1_1: DS1.1 R1.1
NetDS2_1: DS2.1 R6.1
NetDS3_1: DS3.1 R10.1
NetR2_1: R2.1 U1.11
NetR5_2: R5.2 U1.58
NetR8_2: R8.2 U2.94
NetR9_1: R9.1 U1.37
NetR11_2: R11.2 U1.20
NetR21_1: R21.1 U9.7
NetR23_1: R23.1 U9.3
NetR23_2: R23.2 U9.2
NetR28_1: R28.1 U12.7
NetR30_2: R30.2 U13.7
NetR32_1: R32.1 U12.3
NetR32_2: R32.2 U12.2
NetR33_1: R33.1 U13.3
NetR33_2: R33.2 U13.2
NetR34_2: R34.2 U14.6
NetR35_2: R35.2 U15.6
NetSN1_2: SN1.2 U9.4
NetSN1_4: SN1.4 U9.1
NetU1_36: U1.36 U1.38
NetU14_4: U14.4 U16.6 U16.7
NetU15_4: U15.4 U16.1 U16.2
NRST: C9.2 P2.5 R18.2 RST1.2 U2.14
OUT1: C55.1 R21.2 U1.64
OUT2: C60.1 R30.1 U1.2
OUT3: C59.1 R28.2 U1.49
OUTN2: R29.2 U11.7 U13.4
OUTN3: R31.2 U11.14 U12.4
OUTP2: R27.1 U11.1 U13.1
OUTP3: R26.1 U11.8 U12.1
SAI_FS_A: U1.29 U2.3
SAI_SCK_A: U1.28 U2.4
SAI_SD_A: U1.27 U2.5
SAI_SD_B: U1.26 U2.2
SPI_CLK: U1.17 U2.52
SPI_MISO: U1.19 U2.17
SPI_MOSI: U1.18 U2.18
SWCLK: P2.3 U2.76
SWDIO: P2.2 U2.72
UART_RX: U2.24 U4.9
UART_TX: U2.23 U4.11
USB_DM: U2.70 U3.3
USB_DP: U2.71 U3.1
USB_ID: U2.69 USB1.A5 USB1.B5
USB_VCC: U2.68 U3.5
V-USB: R20.1 R24.2 U2.67
Vfb1: C43.2 R13.1 R16.2 U5.4
Vfb2: C44.2 R14.1 R17.2 U6.4
pads on no net: B4.7 B4.8 B5.4 B5.7 B5.8 DB1.1 DB1.6 DB1.10 DB1.11 SN1.5 SN1.6 SN1.7 SN1.8 U1.12 U1.13 U1.14 U1.15 U1.21 U1.22 U1.23 U1.24 U1.25 U1.59 U2.1 U2.7 U2.8 U2.9 U2.30 U2.31 U2.32 U2.33 U2.34 U2.35 U2.36 U2.37 U2.38 U2.39 U2.40 U2.41 U2.42 U2.43 U2.44 U2.45 U2.46 U2.51 U2.53 U2.54 U2.55 U2.56 U2.57 U2.58 U2.59 U2.60 U2.61 U2.62 U2.63 U2.77 U2.78 U2.79 U2.80 U2.81 U2.82 U2.83 U2.84 U2.85 U2.86 U2.87 U2.88 U2.89 U2.90 U2.91 U2.95 U2.96 U2.97 U2.98 U4.10 U8.3 U8.4 U8.7 U10.4 U14.1 U14.3 U14.5 U14.7 U14.8 U15.1 U15.3 U15.5 U15.7 U15.8 USB1.17 USB1.18 USB1.A8 USB1.B8 X1.NC_1 X1.NC_2

## Keep-outs
Keep-Out Layer:
  lines w0.254: 69.564,100.467 69.596,180.467 ; 69.629,100.424 ccw(c79.629,100.424) 79.629,90.424 159.629,90.424 ; 69.629,180.5 cw(c79.629,180.5) 79.629,190.5 159.629,190.501 ; 159.004,190.5 cw(c159.004,180.5) 169.004,180.5 ; 159.037,90.457 ccw(c159.037,100.457) 169.037,100.457 ; 169.037,100.436 169.037,180.436

## Silkscreen, mask and mechanical layers (free items; w line width, h text height)
Top Overlay:
  lines w0.254: 100.868,91.06 100.868,126.366 138.968,126.366 138.968,91.06 100.868,91.06

## Text inside footprints (layer, text, board x,y; h text height)
DB1: Top Overlay "6" at 75,132.239 h0.8 r90; Top Overlay "9" at 75,140.549 h0.8 r90; Top Overlay "5" at 83.236,144.273 h0.8 r90; Top Overlay "1" at 84.4,131.104 h0.8 r90
L1: Mechanical 13 "*" at 160.701,169.926 h0.8 r180
L2: Mechanical 13 "*" at 160.701,178.816 h0.8 r180
U1: Top Overlay "*" at 177.546,195.707 h0.51; Mechanical 13 "*" at 178.473,194.754 h1.27
U9: Top Overlay "*" at 419.532,205.74 h1.27; Mechanical 13 "*" at 419.532,205.74 h1.27
U11: Top Overlay "*" at 205.486,59.817 h0.76; Mechanical 13 "*" at 206.604,58.737 h1.27
U12: Top Overlay "*" at 206.426,64.008 h1.27; Mechanical 13 "*" at 206.426,64.008 h1.27
U13: Top Overlay "*" at 155.499,54.356 h1.27; Mechanical 13 "*" at 155.499,54.356 h1.27